# Allegro board LAY-95869_A.brd (continued)
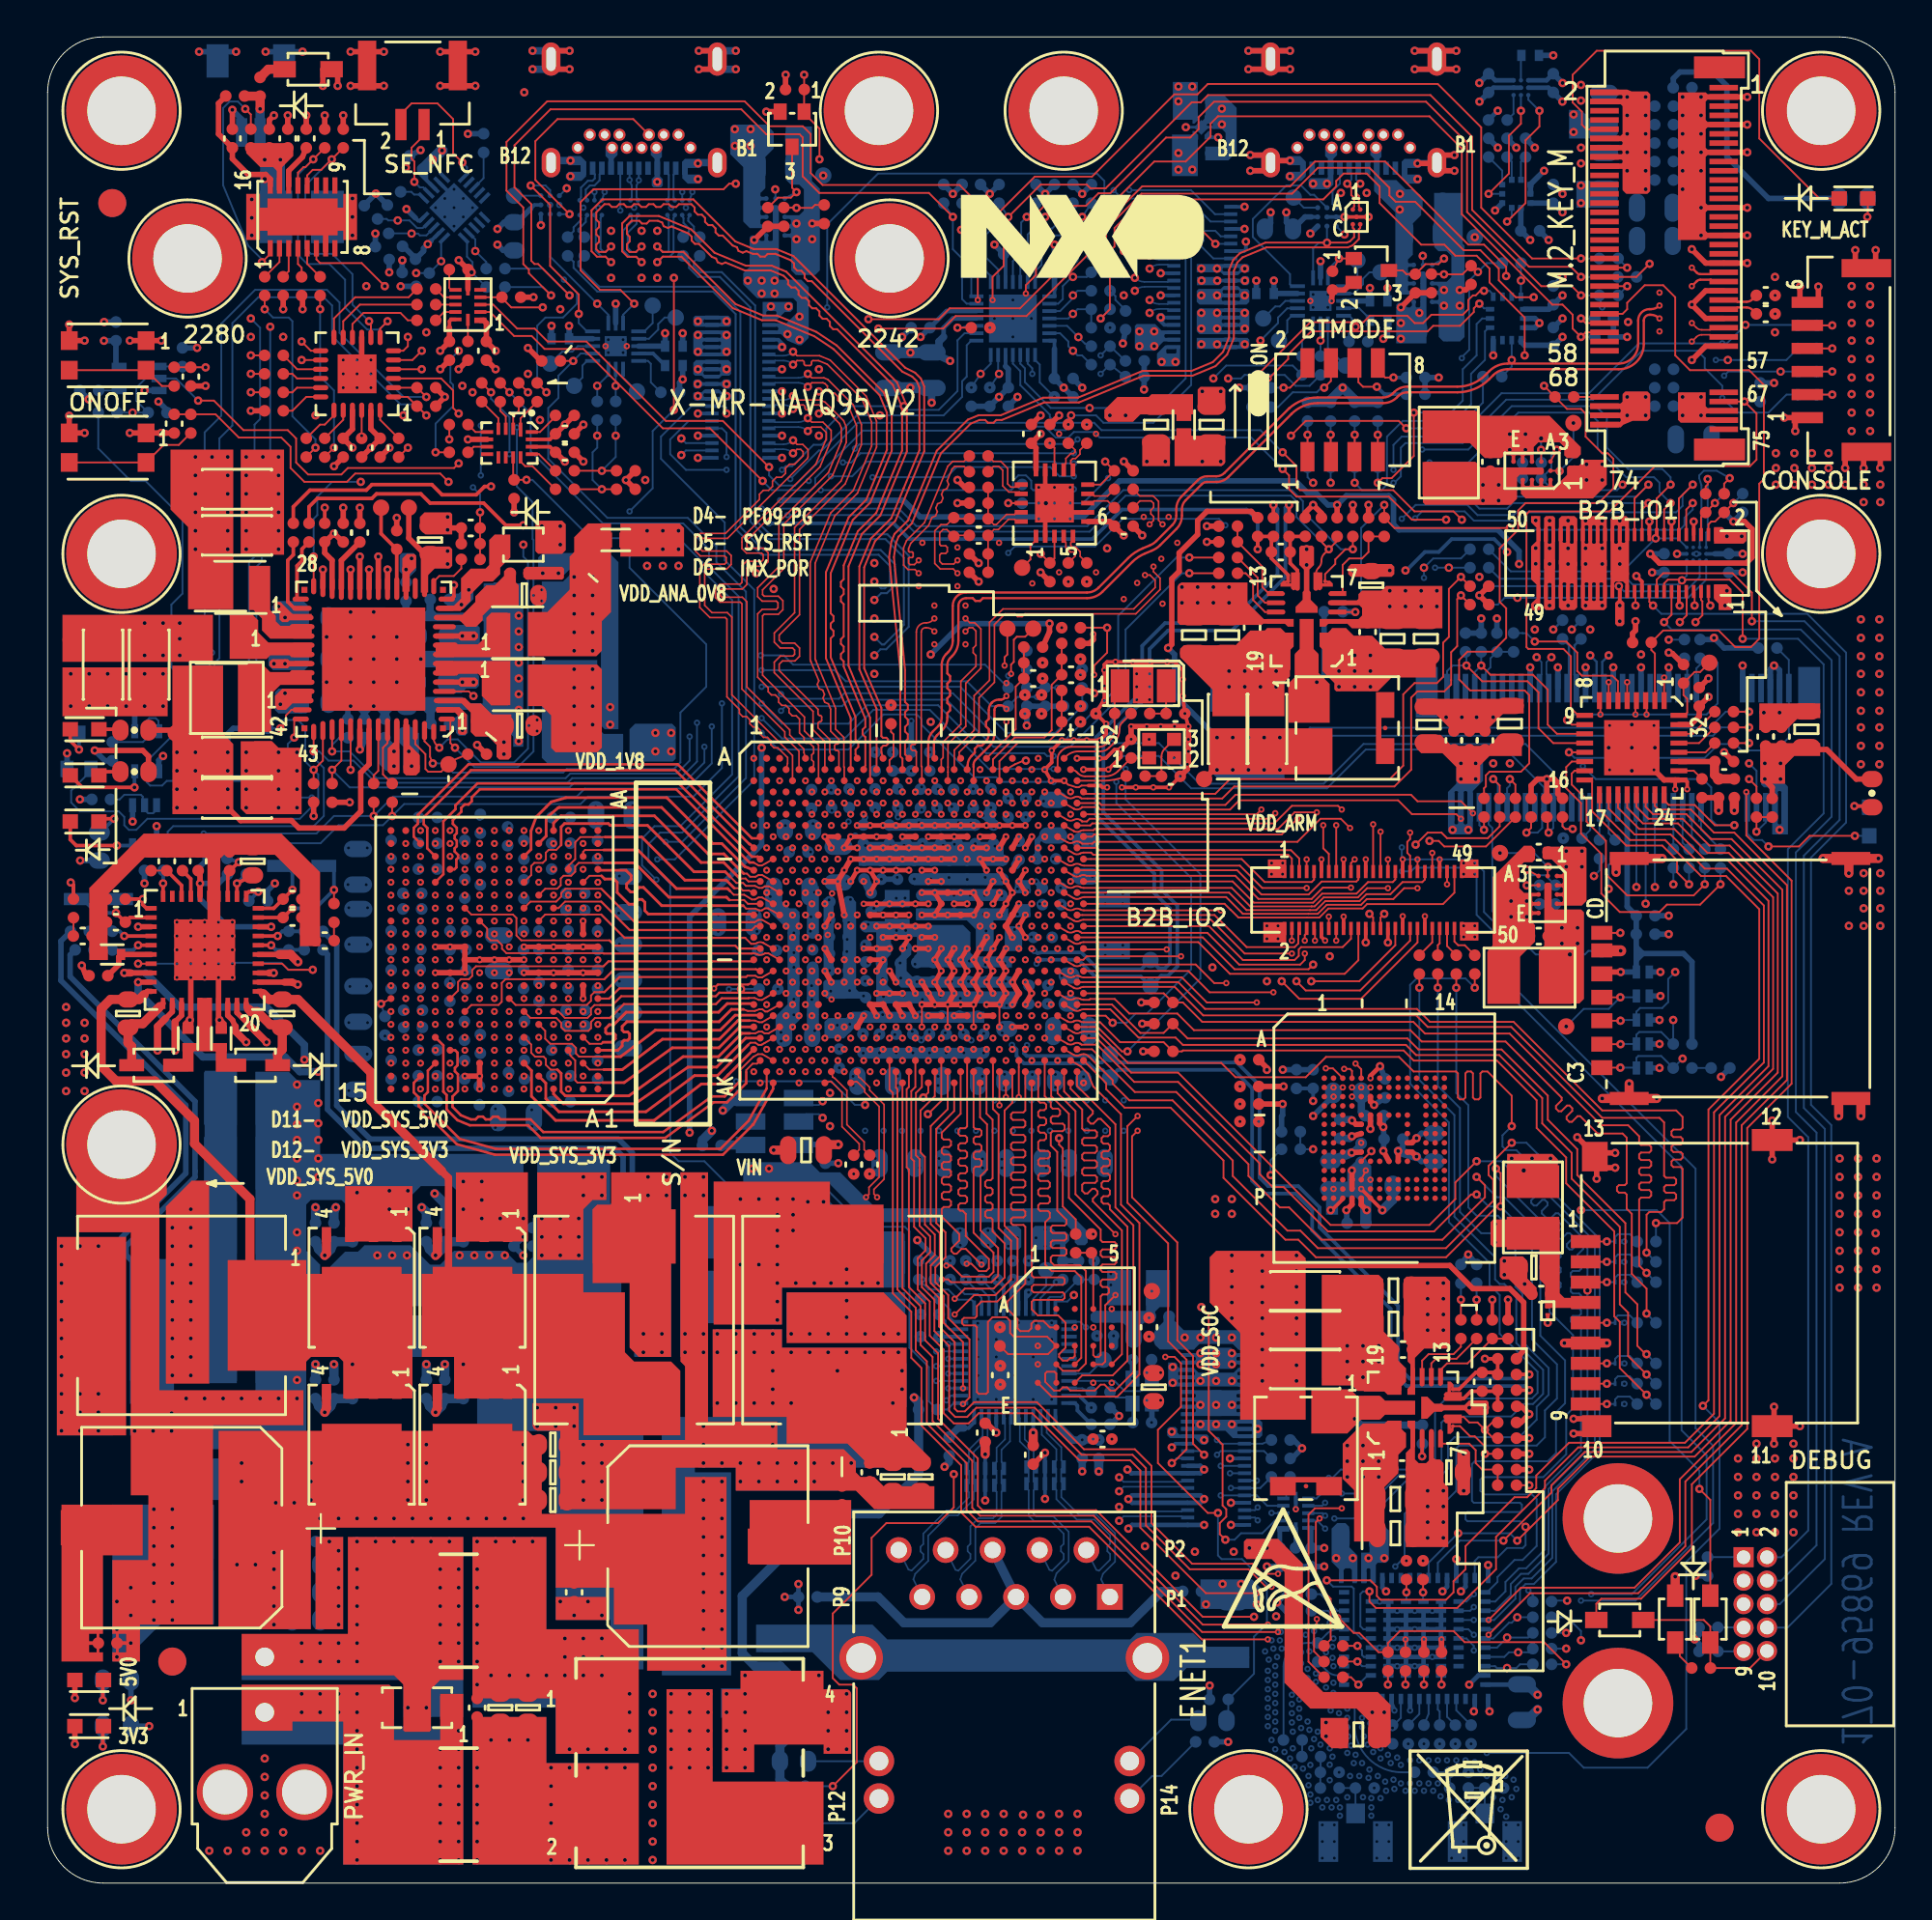
[diagram p0: board, top side]
## Routing (per net, layer and track width the routed paths; a pad name or vN(x,y) marks a point on that pad's centre or on a via; arc(x,y) is an arc through that point) (continued)
DRAM_CA0_B: length 21.8
  L3_IN1 w0.102: v4(41.37,51.83) 40.8,51.5 40.52,51.5 40.31,51.61 39.9,51.87
  L3_IN1 w0.122: v4(20.98,52.81) 21.32,53.15 21.99,53.15 22.16,53.32 22.16,53.58 22.44,53.86 29.9,53.86 33.01,51.77 37.7,51.77 37.8,51.87 39.9,51.87
DRAM_CA1_A: length 16
  L3_IN1 w0.102: 39.48,49.16 40.23,49.16 40.58,49.07 40.83,49.07 40.9,49.15 41.12,49.15 v4(41.72,48.8)
  L3_IN1 w0.122: 39.48,49.16 38.73,48.41 37,48.41 36.61,48.03 29.87,48.03 29.64,48.26 26.93,48.26 v4(26.58,47.91)
DRAM_CA1_B: length 19.8
  L3_IN1 w0.122: v4(40.32,51.22) 40.17,51.22 39.82,51.57 38.06,51.57 37.8,51.31 32.46,51.31 29.93,53.16 22.83,53.16 v4(21.78,52.11)
DRAM_CA2_A: length 16.1
  L3_IN1 w0.122: v4(39.62,48.8) 38.93,48.1 37.11,48.1 36.62,47.61 29.75,47.61 29.68,47.55 24.52,47.55 v4(24.18,47.21)
DRAM_CA2_B: length 16.3
  L3_IN1 w0.122: v4(24.18,52.81) 24.54,52.46 29.92,52.46 30.88,51.75 32.09,50.87 38.4,50.87 38.76,51.22 v4(39.62,51.22)
DRAM_CA3_A: length 17.8
  TOP w0.102: U14.H11 22.21,48.34 22.21,48.81 22.37,48.96 22.81,48.96 22.98,49.13 22.98,49.46 23.19,49.66 30.09,49.66
  TOP w0.119: U12.W1 38.14,49.93 30.35,49.93 30.09,49.66
DRAM_CA3_B: length 13.6
  TOP w0.102: U12.V4 38.75,50.92 38.73,50.93 arc(38.56,50.97) 38.4,50.92 arc(38.31,50.89) 38.22,50.88 38.08,50.88 37.76,51.2 ; U14.P5 26.94,52.46 29.97,52.46
  TOP w0.119: 29.97,52.46 31.23,51.2 37.76,51.2
DRAM_CA4_A: length 17.6
  TOP w0.102: U14.G10 22.94,47.56 24.41,47.56 24.58,47.74 24.58,48.75 24.78,48.96 30.13,48.96
  TOP w0.119: U12.Y2 38.34,49.5 30.68,49.5 30.13,48.96
DRAM_CA4_B: length 14.9
  TOP w0.102: 29.97,53.86 28.04,53.86 27.8,53.62 27.8,53.43 27.53,53.16 26.14,53.16 U14.R6 ; 38.26,52.05 38.48,52.17 38.68,52.17 U12.T4
  TOP w0.119: 29.97,53.86 31.78,52.05 38.26,52.05
DRAM_CA5_A: length 21.4
  L3_IN1 w0.122: v4(40.32,48.8) 40.11,48.8 39.08,47.77 37.27,47.77 36.7,47.2 30.27,47.2 29.94,46.87 23.22,46.87 22.53,47.56 20.54,47.56 v4(20.18,47.91)
DRAM_CA5_B: length 14.4
  L3_IN1 w0.102: v4(41.72,51.23) 41.15,50.9 40.96,50.9 40.77,50.95 40.58,50.95 40.38,50.87 40.2,50.87
  L3_IN1 w0.122: 40.2,50.87 38.79,50.87 38.35,50.43 31.84,50.43 29.96,51.77 28.53,51.77 v4(28.18,52.11)
DRAM_CA6_A: length 22.1
  L3_IN1 w0.102: v4(41.37,48.19) 40.79,48.53 40.54,48.53 40.33,48.33 40.11,48.33
  L3_IN1 w0.122: v4(20.98,47.21) 21.34,46.86 22.73,46.86 22.95,46.64 22.95,46.33 23.12,46.16 29.97,46.16 30.59,46.78 36.74,46.78 37.39,47.43 39.21,47.43 40.11,48.33
DRAM_CA6_B: length 12.1
  TOP w0.102: 29.97,53.16 28.01,53.16 27.66,52.81 U14.R4 ; 38.11,51.62 38.32,51.83 U12.T2
  TOP w0.119: 38.11,51.62 31.51,51.62 29.97,53.16
DRAM_CK_A_C: length 19.8
  L3_IN1 w0.102: 38.84,49.57 38.96,49.69 40.48,49.69 40.52,49.73 40.53,49.73 40.54,49.73 40.81,49.73 40.81,49.73 40.81,49.73 v4(41.37,49.41)
  L3_IN1 w0.14: v4(23.38,48.61) 23.97,48.61 24.7,49.34 25.26,49.34 25.44,49.15 25.67,48.93 25.91,48.93 26.34,49.36 26.8,49.36 27.23,48.93 27.5,48.93 27.92,49.35 28.41,49.35 28.82,48.94 29.1,48.94 29.33,49.17 29.33,49.18 29.61,49.46 30.37,49.46 30.64,49.19 36.19,49.19 36.22,49.23 38.5,49.23 38.84,49.57
DRAM_CK_A_T: length 19.5
  L3_IN1 w0.102: v4(40.67,49.41) 40.67,49.41 39.13,49.41 39.07,49.35
  L3_IN1 w0.14: v4(23.38,47.91) 23.38,48.15 23.52,48.29 24.47,48.29 24.61,48.43 24.61,48.8 24.83,49.02 25.12,49.02 25.53,48.61 26.04,48.61 26.47,49.04 26.67,49.04 27.09,48.61 27.63,48.61 28.05,49.03 28.28,49.03 28.69,48.62 29.23,48.62 29.65,49.04 29.65,49.04 29.74,49.14 30.24,49.14 30.51,48.88 36.32,48.88 36.36,48.91 38.63,48.91 39.07,49.35
DRAM_CK_B_C: length 18.2
  L3_IN1 w0.102: v4(41.37,50.62) 41.35,50.62 40.76,50.28 38.97,50.28 38.54,49.86 38.54,49.83 38.34,49.64 38.34,49.62 38.33,49.61 38.32,49.61
  L3_IN1 w0.14: v4(24.98,51.41) 25.6,51.41 26.35,50.66 26.82,50.66 27.3,51.13 27.47,51.13 27.87,50.73 28.49,50.73 28.83,51.08 29.15,51.08 29.7,50.53 30.29,50.53 31.21,49.61 38.32,49.61
DRAM_CK_B_T: length 18.1
  L3_IN1 w0.102: v4(40.67,50.62) 40.54,50.49 38.88,50.49 38.32,49.92
  L3_IN1 w0.14: v4(24.98,52.11) 24.96,52.09 24.96,51.84 25.05,51.76 25.28,51.76 25.4,51.88 25.53,51.88 25.67,51.74 26.11,51.74 26.23,51.62 26.23,51.23 26.48,50.97 26.69,50.97 27.17,51.45 27.6,51.45 28,51.05 28.36,51.05 28.7,51.39 29.28,51.39 29.83,50.85 30.42,50.85 31.34,49.92 38.32,49.92
DRAM_DATA0_A: length 16
  TOP w0.152: U12.AG1 38.22,45.16 36.84,43.78 36.84,43.78 36.34,43.28 35.38,43.28 32.83,41.31 27.5,41.31 26.19,42.62 26.19,44.01 U14.C6
DRAM_DATA0_B: length 20.8
  L3_IN1 w0.147: v4(40.32,53.65) 40.25,53.58 37.96,53.58 36.58,54.96 35.97,54.96 34.68,56.25 32.1,56.25 31.69,56.66 27.23,56.66 27.01,56.45 27.01,56.1 26.87,55.96 25.72,55.96 25.4,55.65 25.4,54.7 25.26,54.56 22.93,54.56 v4(22.58,54.21)
DRAM_DATA1_A: length 12.5
  TOP w0.102: 30.04,43.36 28.68,43.36 28.56,43.48 28.56,44.56 28.31,44.81 U14.D3
  TOP w0.152: 30.04,43.36 31.21,43.36 33.82,45.24 36.33,45.24 37.47,46.38 U12.AE1
DRAM_DATA1_B: length 25.8
  L3_IN1 w0.102: 39.99,54.64 40.11,54.51 40.44,54.51 40.55,54.62 40.74,54.62 v4(41.37,54.26)
  L3_IN1 w0.147: 39.99,54.64 38.49,54.64 35.05,58.07 24.63,58.07 23.44,57.57 23.14,57.3 23,57.05 23,56.22 22.74,55.96 22.33,55.96 22.14,55.77 22.14,55.5 22.13,55.5 22.13,55.47 21.23,54.56 20.33,54.56 19.73,54.56 v4(19.38,54.21)
DRAM_DATA2_A: length 15.5
  TOP w0.102: 37.92,45.4 38.04,45.52 38.31,45.52 38.48,45.4 38.63,45.4 38.69,45.43 38.8,45.5 U12.AF4
  TOP w0.152: U14.B5 26.97,43.33 26.97,42.49 27.68,41.78 32.38,41.78 35.02,43.74 36.26,43.74 37.92,45.4
DRAM_DATA2_B: length 21.9
  L3_IN1 w0.147: v4(40.67,54.26) 38.24,54.26 36.1,56.4 35.85,56.4 35.5,56.75 35.5,57 34.87,57.63 34.4,57.63 34.17,57.4 33.95,57.4 33.72,57.63 33.43,57.63 33,57.2 32.65,57.2 32.22,57.63 26.33,57.63 26.1,57.4 25.7,57.4 25.47,57.63 25.02,57.63 23.9,57.3 23.79,57.19 23.79,56.86 23.93,56.72 23.93,56.55 23.79,56.41 23.79,56.09 23.66,55.96 23.23,55.96 22.88,55.61 v4(22.58,55.61)
DRAM_DATA3_A: length 17.5
  TOP w0.102: U14.E6 26.18,45.42 26.18,44.97 26.39,44.76 26.84,44.76 26.97,44.64 26.97,44.32 27.23,44.06 27.59,44.06 ; 38.01,46.03 38.31,46.03 38.49,46.12 38.67,46.12 38.8,46.03 39.02,46.03 U12.AE5
  TOP w0.152: 38.01,46.03 37.58,46.03 36.31,44.76 34.4,44.76 31.46,42.64 28.03,42.64 27.8,42.87 27.8,43.86 27.59,44.06
DRAM_DATA3_B: length 24.4
  L3_IN1 w0.102: v4(41.72,53.65) 41.16,53.98 40.89,53.98 40.81,53.9 40.6,53.9 40.45,53.99 40.08,53.99 40.02,53.92
  L3_IN1 w0.147: v4(21.78,53.51) 21.78,53.71 22.15,54.08 22.15,54.97 22.44,55.26 24.38,55.26 24.61,55.49 24.61,56.53 24.74,56.66 24.84,56.66 26.7,56.66 26.7,56.66 26.73,56.66 27.2,57.13 27.8,57.13 28.03,57.36 28.36,57.36 28.58,57.14 31.96,57.14 32.35,56.75 34.82,56.75 36.09,55.48 36.54,55.48 38.1,53.92 40.02,53.92
DRAM_DATA4_A: length 14
  TOP w0.102: U14.F5 26.93,46.16 26.93,45.74 27.21,45.46 28.38,45.46 28.6,45.24 28.6,44.93 28.77,44.76 30.1,44.76
  TOP w0.152: 30.1,44.76 31.02,44.76 32.89,46.19 32.9,46.2 36.41,46.2 37.22,47.01 38.54,47.01 U12.AD2
DRAM_DATA4_B: length 21.2
  L3_IN1 w0.147: v4(40.32,54.86) 40.23,54.95 38.8,54.95 35.24,58.52 24.31,58.52 23.71,58.27 22.97,57.96 22.15,57.14 22.15,56.45 22.01,56.31 v4(21.78,56.31)
DRAM_DATA5_A: length 11.5
  TOP w0.102: U14.C2 29.33,44.06 30.11,44.06 ; U12.AD4 38.68,46.63 38.52,46.63 38.33,46.7 38.27,46.72 37.99,46.72
  TOP w0.152: 37.99,46.72 37.37,46.72 36.36,45.71 33.28,45.71 32.89,45.41 31.11,44.06 30.11,44.06
DRAM_DATA5_B: length 26.1
  L3_IN1 w0.147: v4(40.32,56.07) 39.55,56.07 35.79,59.84 22.8,59.84 20.62,57.66 20.62,56.64 19.78,55.79 19.78,55.51 19.53,55.26 18.93,55.26 v4(18.58,54.91)
DRAM_DATA6_A: length 11.6
  TOP w0.102: 30.06,45.55 29.98,45.46 29.34,45.46 U14.E2
  TOP w0.152: 30.06,45.55 30.54,45.55 30.73,45.73 30.73,45.94 30.67,46.01 30.28,46.01 30.21,46.08 30.21,46.29 30.41,46.5 30.65,46.5 31.32,47.17 36.32,47.17 36.79,47.64 38.17,47.64 U12.AC1
DRAM_DATA6_B: length 27
  L3_IN1 w0.102: v4(41.37,55.47) 40.66,55.88 40.66,56.28 40.49,56.41 40.04,56.41
  L3_IN1 w0.147: v4(19.38,55.61) 19.38,55.81 19.78,56.21 19.78,57.48 22.62,60.31 35.94,60.31 39.62,56.64 39.81,56.64 40.04,56.41
DRAM_DATA7_A: length 12.1
  TOP w0.102: 37.66,47.32 37.9,47.24 38.28,47.24 38.52,47.33 38.69,47.33 38.84,47.21 38.96,47.21 U12.AC5
  TOP w0.152: 37.66,47.32 37.02,47.32 36.35,46.66 31.36,46.66 31.1,46.4 31.1,46.2 31.2,46.1 31.4,46.1 31.5,46 31.5,45.75 31.4,45.65 31.2,45.65 31.1,45.55 31.1,45.35 30.86,45.11 U14.D1
DRAM_DATA7_B: length 25.3
  L3_IN1 w0.102: 40.1,55.35 40.18,55.33 40.5,55.14 40.75,55.14 40.92,55.21 41.08,55.21 41.22,55.15 v4(41.72,54.86)
  L3_IN1 w0.147: v4(20.18,54.91) 21.35,56.08 21.35,57.08 22.52,58.25 24.22,58.96 35.42,58.96 39.03,55.35 40.1,55.35
DRAM_DATA8_A: length 27
  L3_IN1 w0.147: v4(18.58,45.11) 18.93,44.76 19.57,44.76 19.81,44.52 19.81,44.27 20.18,43.91 20.18,43.52 20.56,43.13 20.56,42.5 21.82,41.24 26.49,39.25 37.1,39.25 38.1,40.25 40.08,43.31 v4(40.32,43.95)
DRAM_DATA8_B: length 11.8
  TOP w0.102: U12.R5 39,52.8 38.83,52.8 38.66,52.69 38.53,52.69 38.31,52.78 37.81,52.78 37.65,52.95
  TOP w0.152: 37.65,52.95 33.24,52.95 32.25,53.93 32.02,53.93 31.77,53.69 31.56,53.69 31.34,53.9 31.34,54.12 31.59,54.36 31.59,54.58 31.3,54.86 29.84,54.86 U14.V1
DRAM_DATA9_A: length 27.7
  L3_IN1 w0.102: v4(41.37,44.56) 40.79,44.22 40.65,43.98 40.65,43.82
  L3_IN1 w0.147: v4(19.38,44.41) 19.38,44.21 19.76,43.84 19.76,43.11 20.06,42.37 21.55,40.88 26.17,38.81 37.28,38.81 38.51,40.04 40.35,42.95 40.65,43.82
DRAM_DATA9_B: length 14
  TOP w0.102: 36.9,53.25 37.7,53.25 37.91,53.04 U12.P2 ; U14.T5 26.93,53.86 27.59,53.86 27.77,54.05 27.77,54.41 27.93,54.56 28.34,54.56 28.56,54.78 28.56,55.07 28.75,55.26 30.14,55.26
  TOP w0.152: 36.9,53.25 36.75,53.4 33.63,53.4 31.77,55.26 30.14,55.26
DRAM_DATA10_A: length 26.1
  L3_IN1 w0.102: v4(41.37,45.77) 41.11,45.5 40.89,45.5 40.77,45.38 40.6,45.38 40.47,45.51 40.19,45.51 39.76,45.08
  L3_IN1 w0.147: v4(19.38,45.81) 19.74,45.46 20.4,45.46 20.58,45.29 20.58,45 21.52,44.06 21.64,44.06 21.98,44.06 22.2,43.84 22.2,43.59 22.42,43.36 22.81,43.36 22.98,43.19 22.98,42.86 23.25,42.6 23.5,42.5 24.74,42.5 25.8,41.93 27.05,41.32 33.9,41.32 35.48,42.9 37.49,42.9 39.67,45.08 39.76,45.08
DRAM_DATA10_B: length 11.1
  TOP w0.102: U14.U2 29.33,54.56 29.98,54.56
  TOP w0.152: 29.98,54.56 30.16,54.38 30.66,54.38 30.83,54.21 30.83,53.66 31.47,53.02 31.73,53.02 31.99,53.28 32.18,53.28 32.33,53.13 32.33,52.67 32.51,52.49 38.17,52.49 U12.R1
DRAM_DATA11_A: length 26.5
  L3_IN1 w0.102: 40.04,44.52 40.14,44.52 40.45,44.82 40.6,44.91 40.79,44.91 40.87,44.83 41.15,44.83 v4(41.72,45.16)
  L3_IN1 w0.147: 40.04,44.52 39.36,43.84 39.14,43.35 37.25,40.66 36.73,40.14 27.62,40.14 26.87,40.14 24.82,41.3 24.17,41.57 23.55,41.57 22.67,41.93 22.49,42 arc(22.12,42.2) 21.79,42.47 21.37,42.89 21.37,43.2 21.2,43.36 20.84,43.36 20.83,43.36 20.55,43.63 20.55,44.55 20.18,44.91 v4(20.18,45.11)
DRAM_DATA11_B: length 11.8
  TOP w0.102: U12.P4 38.67,53.39 38.49,53.39 38.29,53.28 38.12,53.28 37.7,53.53 37.14,53.53 36.94,53.74 ; U14.W2 28.98,55.86 29.09,55.96 30.1,55.96
  TOP w0.152: 30.1,55.96 31.95,55.96 34.04,53.87 36.81,53.87 36.94,53.74
DRAM_DATA12_A: length 23
  L3_IN1 w0.147: v4(21.78,43.71) 21.91,43.41 22.2,43.12 22.2,42.77 22.59,42.38 23.61,42.01 24.31,42.01 24.74,41.93 24.96,41.89 26.87,40.82 34.15,40.82 34.69,41.36 34.94,41.36 35.29,41.01 35.53,41.01 35.81,41.29 35.81,41.49 35.41,41.89 35.41,42.08 35.75,42.43 36.72,42.43 36.96,42.19 37.28,42.19 40.25,45.16 v4(40.32,45.16)
DRAM_DATA12_B: length 15.7
  TOP w0.102: 37.67,54.68 37.85,54.68 38.02,54.51 38.32,54.51 38.48,54.6 38.67,54.6 U12.M4
  TOP w0.152: U14.Y5 26.98,56.71 26.98,57.69 27.64,58.25 27.7,58.27 33.23,58.27 35.75,55.75 36.6,55.75 37.67,54.68
DRAM_DATA13_A: length 25.5
  L3_IN1 w0.102: v4(41.72,46.38) 41.14,46.04 40.95,46.04 40.77,46.14 40.58,46.14 40.38,46.02 39.96,46.02 39.55,45.61 39.21,45.61
  L3_IN1 w0.147: 39.21,45.61 37.4,43.81 33.66,43.81 33.45,43.6 33.45,42.44 33.23,42.22 27.76,42.22 27.38,42.6 26.46,42.6 26.22,42.85 26.22,43.8 25.96,44.06 24.84,44.06 24.61,44.29 24.61,44.56 24.41,44.76 22.35,44.76 22.15,44.96 22.15,46.15 v4(21.78,46.51)
DRAM_DATA13_B: length 16.1
  TOP w0.152: U14.W6 26.17,55.99 26.17,56.99 26.44,57.72 26.44,57.74 26.98,58.28 27.26,58.56 28.06,58.79 33.52,58.79 36,56.31 36.49,56.31 37.74,55.06 U12.L1
DRAM_DATA14_A: length 23.1
  L3_IN1 w0.102: 38.98,45.88 39.45,45.88 39.95,46.37 v4(40.32,46.37)
  L3_IN1 w0.147: 38.98,45.88 37.39,44.28 34.18,44.28 33.97,44.49 33.64,44.49 33.44,44.28 33.08,44.28 32.9,44.1 32.9,42.85 32.73,42.68 29.5,42.68 29.28,42.9 28.9,42.9 28.66,42.66 27.97,42.66 27.57,43.07 27.18,43.07 26.95,43.3 26.95,43.9 26.85,44 26.45,44 26,44.45 26,44.65 26.2,44.85 26.2,45.5 25.98,45.72 25.66,45.72 25.41,45.46 25.13,45.46 24.33,45.46 22.94,45.46 v4(22.58,45.81)
DRAM_DATA14_B: length 17.8
  TOP w0.102: 36.95,54.51 37.28,54.17 37.64,54.17 37.8,54.01 38.29,54.01 38.51,53.9 38.67,53.9 38.83,53.99 39.04,53.99 U12.N5 ; 27.8,56.23 27.53,55.96 27.12,55.96 26.97,55.81 26.97,55.42 26.8,55.26 26.34,55.26 26.18,55.09 26.18,54.6 U14.U6
  TOP w0.152: 36.95,54.51 36.67,54.78 34.99,54.78 32.48,57.29 30.45,57.29 30.35,57.39 27.98,57.39 27.8,57.21 27.8,56.23
DRAM_DATA15_A: length 21.8
  L3_IN1 w0.102: 39.43,45.35 39.66,45.35 40.08,45.77 v4(40.67,45.77)
  L3_IN1 w0.147: v4(22.58,44.41) 22.9,44.1 23.58,44.1 23.79,43.89 23.79,43.49 23.91,43.36 25.22,43.36 25.37,43.21 25.37,42.91 25.69,42.59 26.47,42.17 27.15,42.17 27.56,41.76 33.54,41.76 34,42.23 34,43.2 34.16,43.36 37.44,43.36 39.43,45.35
DRAM_DATA15_B: length 12.6
  TOP w0.102: 30.18,56.66 28.84,56.66 28.56,56.38 28.56,55.47 28.18,55.09 U14.V3 ; 37.17,53.89 37.51,53.89 37.64,53.76 37.96,53.76 U12.N1
  TOP w0.152: 30.18,56.66 32.16,56.66 34.5,54.32 36.73,54.32 37.17,53.89
DRAM_DMI0_A: length 12.9
  TOP w0.152: U12.AF2 37.78,45.77 36.21,44.2 35.98,44.2 35.98,44.2 34.66,44.2 31.79,42.21 27.91,42.21 27.38,42.74 U14.A4
DRAM_DMI0_B: length 22.4
  L3_IN1 w0.147: v4(40.67,55.47) 40.45,55.69 39.31,55.69 35.6,59.4 23.36,59.4 22.22,58.64 21.11,57.53 20.98,57.22 v4(20.98,57.01)
DRAM_DMI1_A: length 23.3
  L3_IN1 w0.102: v4(40.67,44.56) 40.51,44.56 40.23,44.28 40.17,44.28 39.83,43.94
  L3_IN1 w0.147: v4(20.98,43.01) 20.98,42.76 21.93,41.82 arc(22.23,41.58) 22.57,41.41 25.69,40.29 26.72,39.7 36.92,39.7 37.75,40.53 39.59,43.32 39.83,43.94
DRAM_DMI1_B: length 13.2
  TOP w0.102: U12.M2 37.94,54.26 37.78,54.41 37.47,54.41
  TOP w0.152: 37.47,54.41 36.6,55.28 35.37,55.28 32.85,57.81 27.78,57.81 27.38,57.41 U14.AA4
DRAM_NCS0_A: length 15.4
  TOP w0.102: U12.Y4 38.68,49.06 38.46,49.06 38.3,49.15 37.88,49.15 37.81,49.08 ; U14.H7 25.33,47.56 29.19,47.56 29.41,47.79 29.41,48.08 29.6,48.26 29.87,48.26
  TOP w0.119: 37.81,49.08 30.95,49.08 30.14,48.26 29.87,48.26
DRAM_NCS0_B: length 17.5
  TOP w0.102: 38.12,50.35 38.22,50.36 arc(38.31,50.35) 38.4,50.32 38.41,50.31 arc(38.58,50.27) 38.75,50.32 38.83,50.36 39.02,50.36 U12.W5 ; U14.P9 23.39,52.11 23.79,51.71 23.79,51.25 23.98,51.06 24.34,51.06 24.6,50.81 24.6,50.61 24.84,50.37 30.08,50.37 30.1,50.35
  TOP w0.119: 38.12,50.35 30.1,50.35
DRAM_NCS1_A: length 15.1
  TOP w0.102: U12.AB4 38.67,47.84 38.5,47.84 38.27,47.94 37.95,47.94 37.93,47.93 ; U14.G6 26.13,46.86 27.53,46.86 27.8,46.59 27.8,46.37 28.01,46.16 29.27,46.16 29.42,46.31 29.42,46.65 29.63,46.86 29.96,46.86
  TOP w0.119: 37.93,47.93 36.49,47.93 36.17,47.61 31.19,47.61 30.44,46.86 29.96,46.86
DRAM_NCS1_B: length 17.4
  TOP w0.102: 30.41,51.06 25.64,51.06 25.38,51.33 25.38,52.27 25.19,52.46 22.93,52.46 U14.R10
  TOP w0.119: 30.41,51.06 30.7,50.78 37.22,50.78 37.38,50.62 38.57,50.62 U12.V2
DRAM_RESET_B: length 11.2
  TOP w0.119: U14.H1 30.4,47.91 30.95,48.46 v8(36.07,48.46) 36.28,48.67 37.91,48.67 U12.AA1
  L4_GND2 w0.3: v8(36.07,48.46) v6(36.48,48.46)
  L7_GND3 w0.3: v6(36.48,48.46) v9(36.88,48.42)
  BOTTOM w0.119: v9(36.88,48.42) 36.89,48.43 v2(37.53,48.43) R286.1
DRAM_SDQS0_A_C: length 16
  L3_IN1 w0.102: v4(40.67,46.98) 40.62,46.93 39.8,46.93 39.27,46.41 38.6,46.41 38.42,46.23 38.33,46.23
  L3_IN1 w0.14: v4(27.38,44.41) 27.74,44.06 28.38,44.06 28.75,44.43 29.25,44.43 30.14,43.54 31.43,43.54 31.94,44.05 31.94,44.68 32.66,45.4 34.96,45.4 35.3,45.06 37.17,45.06 38.33,46.23
DRAM_SDQS0_A_T: length 16
  L3_IN1 w0.102: v4(41.37,46.98) 41.17,46.98 40.81,46.62 40.56,46.62 40.48,46.7 39.9,46.7 39.35,46.15 38.71,46.15 38.56,46
  L3_IN1 w0.14: 38.56,46 37.3,44.75 35.17,44.75 34.83,45.09 32.79,45.09 32.25,44.55 32.25,43.92 31.56,43.23 30.01,43.23 29.12,44.11 28.88,44.11 28.51,43.74 28.17,43.74 28.17,43.73 v4(28.18,43.71)
DRAM_SDQS0_B_C: length 23
  TOP w0.14: U14.W12 20.55,56.05 20.55,57.13 20.55,57.14 20.55,57.16 20.36,57.35 20.36,57.73 22.91,60.28 33.98,60.28 37.99,56.28 38.02,56.28 U12.J1
DRAM_SDQS0_B_T: length 23.2
  TOP w0.14: 38.57,56.68 38.48,56.59 38.12,56.59 34.11,60.6 22.78,60.6 20.04,57.86 20.04,57.38 19.82,57.16 19.82,57.14 19.82,57.13 19.82,56.68 U14.Y13
DRAM_SDQS1_A_C: length 24.4
  TOP w0.114: 38.92,43.04 U12.AJ3
  TOP w0.14: U14.C12 20.58,44.01 20.58,42.84 20.4,42.66 20.4,42.22 22.31,40.31 24.26,39.77 36.42,39.77 37.95,41.3 38.92,43.04
DRAM_SDQS1_A_T: length 24.3
  TOP w0.14: U12.AK4 39.27,43.02 39.2,42.89 39.2,42.89 38.2,41.1 38.17,41.07 36.55,39.45 24.21,39.45 22.15,40.02 20.71,41.46 20.5,41.46 20.32,41.64 20.32,41.85 20.08,42.09 20.08,42.57 19.82,42.83 19.82,43.35 U14.B13
DRAM_SDQS1_B_C: length 16
  L3_IN1 w0.14: v4(27.38,55.61) 27.74,55.97 28.35,55.97 28.76,55.56 29.2,55.56 29.63,55.99 30.07,55.99 31.25,55.64 31.8,55.09 32.61,55.09 32.89,54.8 32.89,54.54 33.22,54.22 34.05,54.22 34.37,54.54 34.37,54.76 34.51,54.9 34.78,54.9 34.92,54.76 34.92,54.32 35.29,53.95 36.17,53.95 36.77,53.51 37.44,53.01 37.51,52.93 40.56,52.93 v4(40.67,53.04)
DRAM_SDQS1_B_T: length 16
  L3_IN1 w0.102: 40.39,53.25 40.57,53.43 40.78,53.43 41.17,53.04 v4(41.37,53.04)
  L3_IN1 w0.14: 40.39,53.25 37.64,53.25 36.96,53.76 36.62,54.02 36.28,54.27 35.42,54.27 35.24,54.45 35.24,54.89 34.91,55.21 34.38,55.21 34.05,54.89 34.05,54.67 33.92,54.53 33.35,54.53 33.21,54.67 33.21,54.93 32.74,55.4 31.94,55.4 31.42,55.92 30.12,56.31 29.5,56.31 29.07,55.87 28.9,55.87 28.46,56.31 v4(28.18,56.31)
DRAM_WCK0_A_C: length 16.9
  L3_IN1 w0.102: v4(40.32,47.59) 40.11,47.59 39.37,46.85 38.67,46.85
  L3_IN1 w0.14: 38.67,46.85 38.35,46.52 38.02,46.52 37.13,45.63 35.75,45.63 35.41,45.98 31.55,45.98 31.39,45.81 31.39,44.68 31.06,44.35 30.44,44.35 29.66,45.13 29.46,45.13 29.12,45.47 28.85,45.47 28.51,45.14 27.9,45.14 27.58,45.46 26.93,45.46 v4(26.58,45.11)
DRAM_WCK0_A_T: length 16.9
  L3_IN1 w0.102: v4(40.67,48.19) 40.73,48.14 40.73,47.97 40.67,47.92 40.1,47.92 39.32,47.14 38.75,47.14
  L3_IN1 w0.14: v4(27.38,45.81) 27.44,45.87 27.64,45.87 28.05,45.46 28.38,45.46 28.71,45.79 29.25,45.79 29.59,45.45 29.79,45.45 30.57,44.67 30.93,44.67 31.07,44.81 31.07,45.94 31.42,46.29 35.54,46.29 35.88,45.95 36.11,45.95 36.34,46.18 36.57,46.18 36.8,45.95 37,45.95 37.89,46.84 38.24,46.84 38.53,47.14 38.75,47.14
DRAM_WCK0_B_C: length 23.3
  TOP w0.102: U12.K4 38.67,55.12 38.49,55.12 38.21,55.28
  TOP w0.14: U14.V11 21.79,54.91 22.02,54.91 22.13,55.02 22.13,55.44 22.22,55.54 22.22,55.69 22.03,55.88 22.03,56.05 22.15,56.16 22.15,56.46 22.03,56.57 22.03,56.75 22.15,56.86 22.15,57.16 21.93,57.37 21.93,57.57 22.39,58.03 22.39,58.25 22.57,58.42 22.78,58.42 22.96,58.6 22.96,58.81 23.39,59.24 34.03,59.24 38,55.28 38.21,55.28
DRAM_WCK0_B_T: length 23.3
  TOP w0.14: U12.K2 38.44,55.6 38.13,55.6 34.16,59.56 23.26,59.56 22.08,58.38 22.08,58.17 21.42,57.51 21.42,54.65 20.99,54.21 U14.U12
DRAM_WCK1_A_C: length 23.8
  TOP w0.1: U12.AH4 38.68,44.9 38.45,44.9 38.2,44.76 37.5,44.06 37.5,43.93
  TOP w0.14: U14.D11 21.79,45.11 22.06,45.11 22.19,44.98 22.19,44.3 22.05,44.16 22.05,43.97 22.21,43.81 22.21,42.9 21.92,42.61 21.92,42.04 22.37,41.59 22.91,41.36 23.16,41.36 23.32,41.51 23.57,41.51 23.71,41.36 23.96,41.36 24.11,41.51 24.36,41.51 24.52,41.36 26.14,41.36 26.83,40.68 33.33,40.68 35.95,42.61 36.65,42.61 37.5,43.46 37.5,43.93
DRAM_WCK1_A_T: length 23.7
  TOP w0.1: 37.82,43.93 37.82,44.04 38.16,44.38 38.4,44.38 U12.AH2
  TOP w0.14: U14.E12 20.99,45.81 21.42,45.38 21.42,42.89 21.42,42.89 21.42,42.86 21.6,42.69 21.6,41.91 22.19,41.32 22.85,41.05 26.01,41.05 26.69,40.37 33.43,40.37 36.05,42.29 36.78,42.29 37.82,43.33 37.82,43.93
DRAM_WCK1_B_C: length 16.9
  L3_IN1 w0.14: v4(26.58,54.91) 26.93,54.57 27.53,54.57 27.86,54.9 28.51,54.9 28.87,54.54 29.15,54.54 29.24,54.64 29.72,55.12 30.59,55.12 30.92,54.79 30.92,54.12 31.18,53.87 31.44,53.87 31.79,54.21 32.25,54.21 33.63,52.83 34.65,52.83 35.2,53.39 36.1,53.39 36.42,53.07 36.42,52.68 36.56,52.54 40.22,52.54 v4(40.32,52.44)
DRAM_WCK1_B_T: length 17.1
  L3_IN1 w0.102: v4(40.67,51.83) 40.84,52 40.84,52.14 40.75,52.23 40.57,52.23 40.46,52.11 40.4,52.06 40.16,52.06 39.99,52.22
  L3_IN1 w0.14: v4(27.38,54.21) 27.62,54.21 27.99,54.58 28.38,54.58 28.74,54.22 29.28,54.22 29.47,54.41 29.85,54.8 30.46,54.8 30.6,54.66 30.6,53.99 31.04,53.55 31.57,53.55 31.92,53.9 32.12,53.9 32.33,53.68 32.33,53.47 32.51,53.29 32.72,53.29 33.5,52.52 34.78,52.52 35.34,53.08 35.96,53.08 36.1,52.94 36.1,52.55 36.43,52.22 39.99,52.22
DRAM_ZN: length 2.5
  L4_GND2 w0.3: v8(41.72,50.01) v6(41.3,50.1)
  L7_GND3 w0.102: v9(39.45,50.65) 39.48,50.68 40.47,50.74 40.56,50.71 v6(41.3,50.1)
ENET1_RD0: length 20.4
  TOP w0.102: U12.AJ35 50.12,40.94 50.22,40.84 50.45,40.84 50.55,40.74 50.55,40.53 50.45,40.43 50.22,40.43 50.12,40.33 50.12,40.13 50.22,40.03 50.45,40.03 50.55,39.92 50.55,39.72 50.45,39.62 50.22,39.62 50.12,39.52 50.12,39.31 50.22,39.21 50.45,39.21 50.55,39.11 50.55,38.91 50.45,38.81 50.22,38.81 50.12,38.71 50.12,35.23 51.2,34.15 51.2,33.1 50.95,32.85 49.5,32.85 48.9,33.45 v8(48.65,33.45)
  L4_GND2 w0.3: v6(48.85,33.1) v8(48.65,33.45)
  L7_GND3 w0.3: v9(48.85,32.69) v6(48.85,33.1)